# Altium PCB PCB4191.PcbDoc (part 1 of 4) (continued)
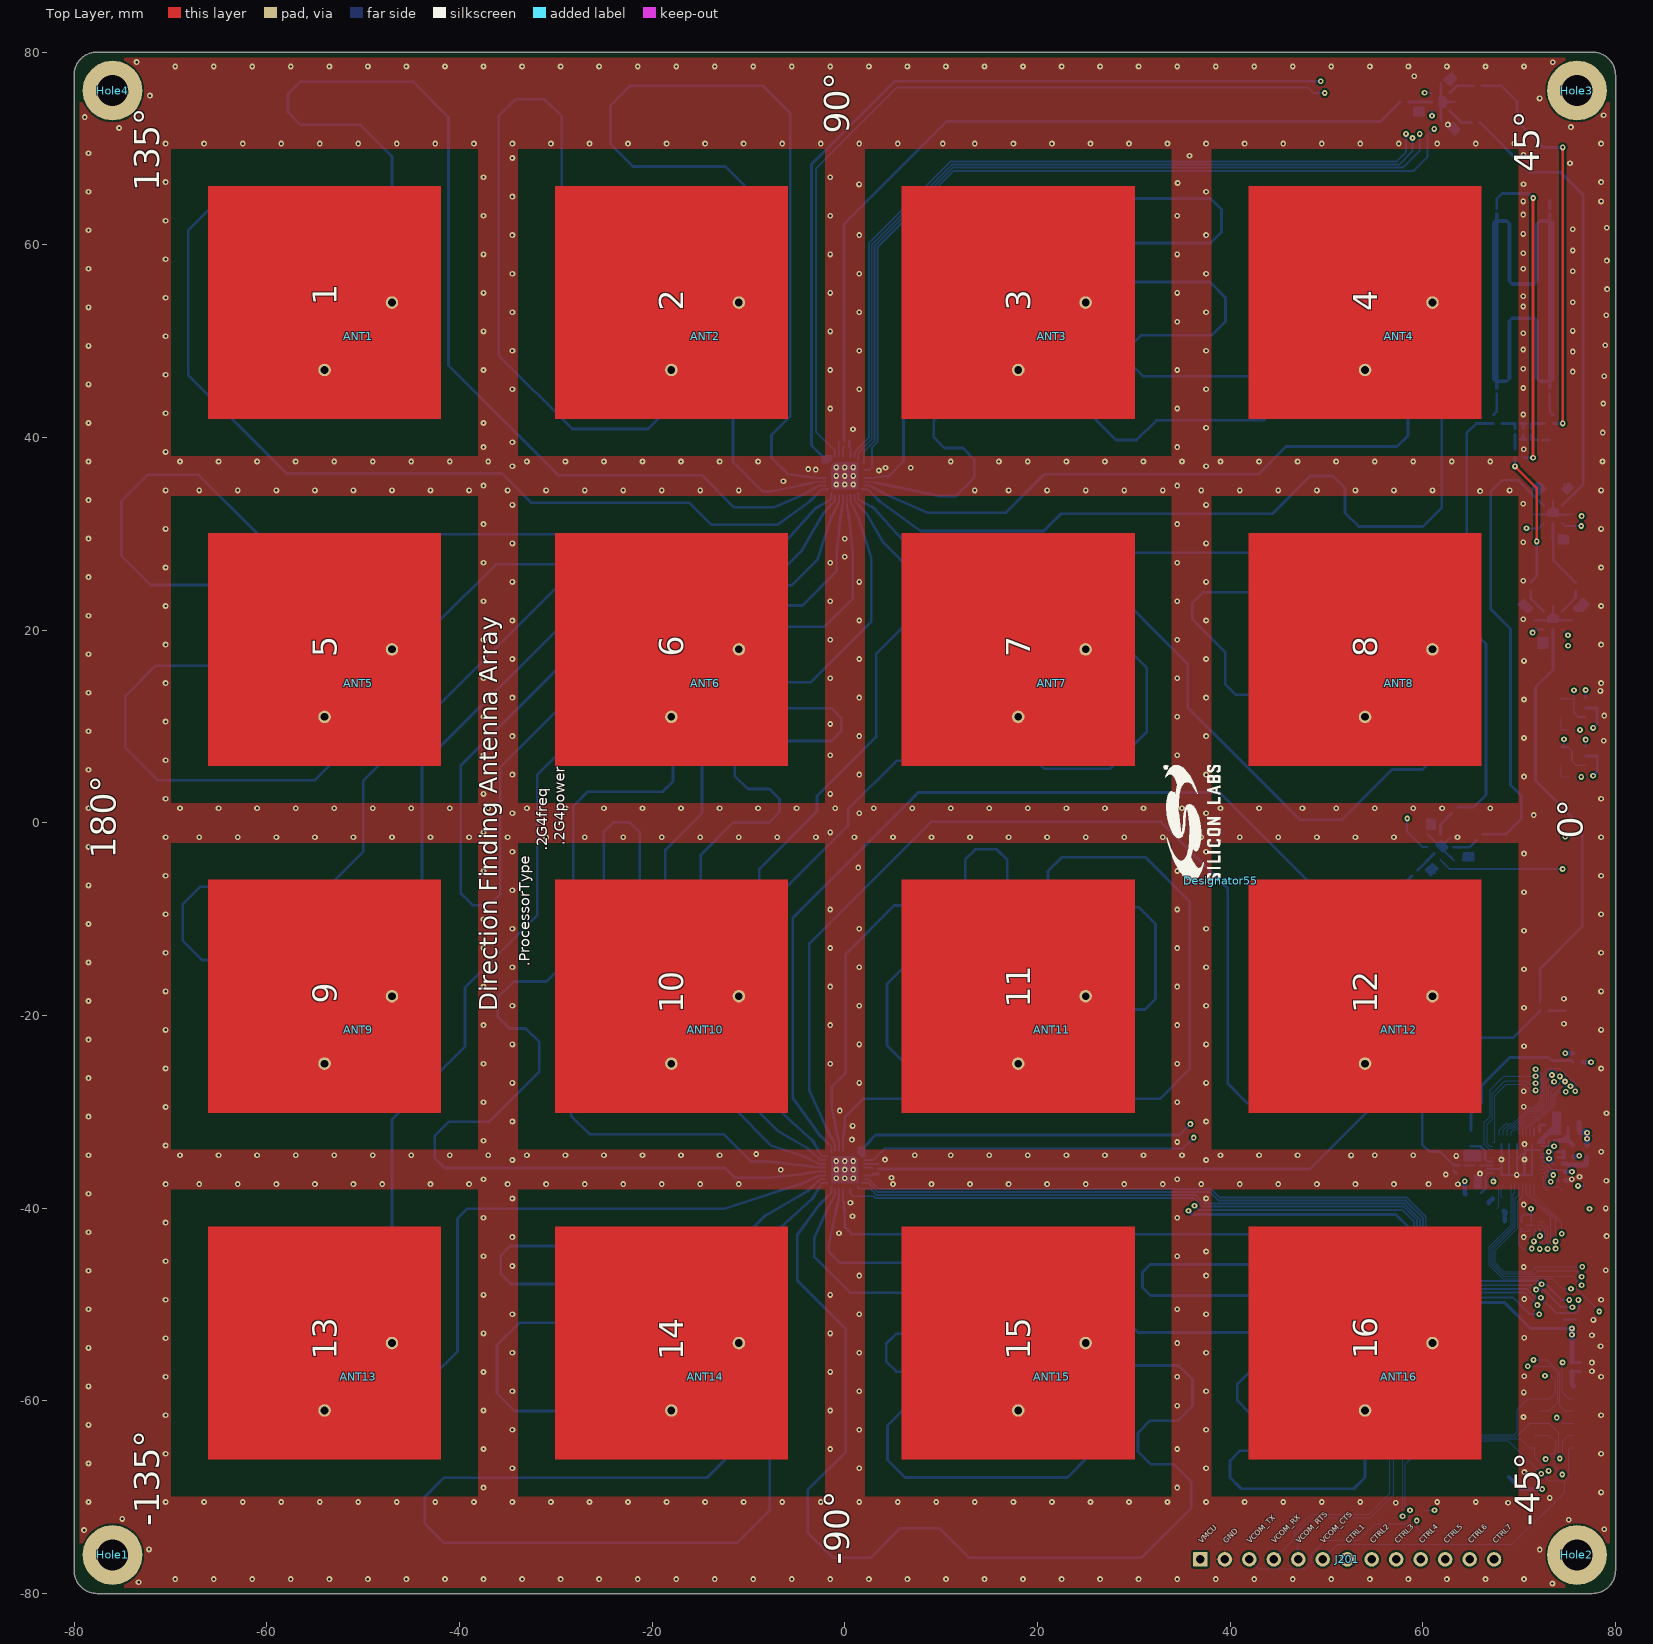
[diagram p0: Top Layer view]
## Components (designator, comment, footprint, x,y, rotation, side; value= is the part's Value field where it differs from the comment)
ANT1 "RECT_DP_PATCH_6LAYER_4x4_RIS" PATCH_RECT24mm2_14mm4RIS_31mm8CELL -54,54 r270 top
ANT2 "RECT_DP_PATCH_6LAYER_4x4_RIS" PATCH_RECT24mm2_14mm4RIS_31mm8CELL -18,54 r270 top
ANT3 "RECT_DP_PATCH_6LAYER_4x4_RIS" PATCH_RECT24mm2_14mm4RIS_31mm8CELL 18,54 r270 top
ANT4 "RECT_DP_PATCH_6LAYER_4x4_RIS" PATCH_RECT24mm2_14mm4RIS_31mm8CELL 54,54 r270 top
ANT5 "RECT_DP_PATCH_6LAYER_4x4_RIS" PATCH_RECT24mm2_14mm4RIS_31mm8CELL -54,18 r270 top
ANT6 "RECT_DP_PATCH_6LAYER_4x4_RIS" PATCH_RECT24mm2_14mm4RIS_31mm8CELL -18,18 r270 top
ANT7 "RECT_DP_PATCH_6LAYER_4x4_RIS" PATCH_RECT24mm2_14mm4RIS_31mm8CELL 18,18 r270 top
ANT8 "RECT_DP_PATCH_6LAYER_4x4_RIS" PATCH_RECT24mm2_14mm4RIS_31mm8CELL 54,18 r270 top
ANT9 "RECT_DP_PATCH_6LAYER_4x4_RIS" PATCH_RECT24mm2_14mm4RIS_31mm8CELL -54,-18 r270 top
ANT10 "RECT_DP_PATCH_6LAYER_4x4_RIS" PATCH_RECT24mm2_14mm4RIS_31mm8CELL -18,-18 r270 top
ANT11 "RECT_DP_PATCH_6LAYER_4x4_RIS" PATCH_RECT24mm2_14mm4RIS_31mm8CELL 18,-18 r270 top
ANT12 "RECT_DP_PATCH_6LAYER_4x4_RIS" PATCH_RECT24mm2_14mm4RIS_31mm8CELL 54,-18 r270 top
ANT13 "RECT_DP_PATCH_6LAYER_4x4_RIS" PATCH_RECT24mm2_14mm4RIS_31mm8CELL -54,-54 r270 top
ANT14 "RECT_DP_PATCH_6LAYER_4x4_RIS" PATCH_RECT24mm2_14mm4RIS_31mm8CELL -18,-54 r270 top
ANT15 "RECT_DP_PATCH_6LAYER_4x4_RIS" PATCH_RECT24mm2_14mm4RIS_31mm8CELL 18,-54 r270 top
ANT16 "RECT_DP_PATCH_6LAYER_4x4_RIS" PATCH_RECT24mm2_14mm4RIS_31mm8CELL 54,-54 r270 top
C1 "1P2" C0201_L 66.5,-35.825 r270 bottom
C2 "1P3" C0201_L 64.85,-35.281 r90 bottom
C3 "TBD" C0201_L 63.2,-35.825 r270 bottom
C11 "1P0" C0201_L 0.209,40.218 r180 bottom
C21 "1P0" C0201_L 4.111,-36.199 r90 bottom
C201 "100N" C0201_L 76.65,-56.937 r0 bottom
C202 "100N" C0201_L 76.65,-56.037 r0 bottom
C203 "10U" C0805_L 76.275,-54.462 r0 bottom
C204 "120P" C0201_L 66.25,-37 r180 bottom
C205 "100N" C0201_L 66.25,-37.55 r180 bottom
C206 "120P" C0201_L 66.175,-34.881 r180 bottom
C207 "100N" C0201_L 66.175,-34.331 r180 bottom
C208 "100N" C0201_L 76.852,-37.686 r0 bottom
C209 "100N" C0201_L 73.35,-32.981 r0 bottom
C210 "10U" C0603_L 76.35,-34.656 r0 bottom
C211 "10N" C0201_L 73.75,-34.725 r0 bottom
C212 "1U" C0402_L 74.025,-35.375 r0 bottom
C213 "100N" C0201_L 74.1,-36.306 r270 bottom
C214 "1U" C0402_L 74.775,-36.681 r270 bottom
C215 "4U7" C0603_L 76.35,-33.456 r180 bottom
C216 "100N" C0201_L 73.75,-34.15 r0 bottom
C217 "1U" C0201_L 71.85,-31.675 r0 bottom
C218 "100N" C0201_L 71.525,-40.675 r0 bottom
C219 "100N" C0402_L 78.078,12.371 r270 bottom
C220 "100N" C0402_L 78.097,7.378 r270 bottom
C221 "TBD" C0201_L 74.08,9.639 r0 bottom
C222 "TBD" C0201_L 74.079,4.759 r0 bottom
C223 "100N" C0402_L -2.987,38.141 r90 bottom
C224 "100N" C0402_L 2.113,-33.009 r0 bottom
CC1 "18P" C0201_L 64.025,-35.55 r180 bottom
CC11 "12P" C0402_L 75.838,24.504 r270 bottom
CC12 "12P" C0402_L 71.212,24.524 r270 bottom
CC31 "12P" C0402_L 65.47,72.692 r0 bottom
CC32 "12P" C0402_L 65.656,76.507 r0 bottom
CC33 "12P" C0402_L 58.101,74.825 r0 bottom
CC41 "12P" C0402_L 65.886,-1.507 r45 bottom
CC42 "12P" C0402_L 63.32,1.322 r45 bottom
CC43 "12P" C0402_L 59.168,-5.21 r45 bottom
CH1 "1P1" C0201_L 69.842,39.753 r0 bottom
CH2 "1P1" C0201_L 69.842,41.453 r0 bottom
CH3 "1P1" C0201_L 70.992,39.753 r0 bottom
CH4 "1P1" C0201_L 70.992,41.453 r0 bottom
D11 "ESD7551" X2DFN2_1.0x0.6_0.65P 76,22.8 r135 bottom
D12 "ESD7551" X2DFN2_1.0x0.6_0.65P 71,22.8 r45 bottom
D13 "ESD7551" X2DFN2_1.0x0.6_0.65P 73.075,18.675 r0 bottom
D21 "ESD7551" X2DFN2_1.0x0.6_0.65P 75.424,34.355 r315 bottom
D22 "ESD7551" X2DFN2_1.0x0.6_0.65P 71.648,34.284 r225 bottom
D23 "ESD7551" X2DFN2_1.0x0.6_0.65P 73.889,29.455 r180 bottom
D31 "ESD7551" X2DFN2_1.0x0.6_0.65P 63.648,72.456 r45 bottom
D32 "ESD7551" X2DFN2_1.0x0.6_0.65P 63.291,76.738 r315 bottom
D33 "ESD7551" X2DFN2_1.0x0.6_0.65P 59.476,74.436 r90 bottom
D41 "ESD7551" X2DFN2_1.0x0.6_0.65P 64.765,-2.963 r90 bottom
D42 "ESD7551" X2DFN2_1.0x0.6_0.65P 61.485,-0.188 r0 bottom
D43 "ESD7551" X2DFN2_1.0x0.6_0.65P 60.415,-4.513 r135 bottom
Designator55 "Comment" LOGO_SILABS_W12.0 39,-6 r90 top
Designator167 "Comment" PCB_SPEC_6_LAYER_BLINDVIA -91,310 r0 top
H1 "90DEG_HYBRID_6LAYER" 90DEG_HYBRID_EUROCIRCUITS_6LAYER_0mm2 70.42,54.146 r270 bottom
Hole1 "Comment" 3MM_PLATED -76,-76 r0 top
Hole2 "Comment" 3MM_PLATED 76,-76 r0 top
Hole3 "Comment" 3MM_PLATED 76,76 r0 top
Hole4 "Comment" 3MM_PLATED -76,76 r0 top
J201 "1X13 2.54MM" HEADER_1X13_2.54MM_TH 52.15,-76.45 r0 top
L1 "2N6" COIL_0201_L 65.675,-35.55 r180 bottom
L11 "2N" R0201_L#1 -0.337,39.625 r180 bottom
L21 "2N" R0201_L#1 3.497,-35.656 r90 bottom
L201 "2U2" COIL_1008_L 75.082,-31.125 r0 bottom
L202 "BLM18AG102SN1" COIL_MUR_BLM18_0603 65.05,-38.525 r0 bottom
L203 "BLM18AG102SN1" COIL_MUR_BLM18_0603 65,-32.6 r270 bottom
LED1 "GREEN" LED0402_L 76.375,-51.575 r180 bottom
LH1 "3N3" COIL_0201_L 69.567,40.603 r90 bottom
LH2 "3N3" COIL_0201_L 70.417,40.603 r90 bottom
LH3 "3N3" COIL_0201_L 71.267,40.603 r90 bottom
P201 "HEADER_2X6_1.27MM_SMD" FTSH_106_01_L_DV_K 74.125,-61.687 r270 bottom
P202 "U.FL" COAX_HIROSE_U.FL_CL331-0471 76.395,-19.497 r270 bottom
R1 "0R" R0402_L 72.195,-19.047 r90 bottom
R2 "0R" R0402_L 72.645,-19.497 r0 bottom
R201 "0R" R0402_L 75.475,-56.487 r90 bottom
R202 "1K96" R0402_L 74.625,-52.025 r90 bottom
R203 "0R" R0402_L 76.021,-24.833 r0 bottom
R204 "0R" R0402_L 75.575,-24.375 r270 bottom
R205 "330K" R0201_L#2 70.225,-41.725 r90 bottom
R206 "0R" R0201_L#1 75.38,9.639 r180 bottom
R207 "0R" R0201_L#1 75.419,4.76 r180 bottom
R208 "0R" R0402_L 70.017,37.889 r0 bottom
R209 "0R" R0402_L 69.567,38.339 r270 bottom
R210 "0R" R0402_L 67.32,41.9 r270 bottom
R211 "0R" R0402_L 67.77,41.45 r180 bottom
R212 "0R" R0402_L 73.52,41.9 r270 bottom
R213 "0R" R0402_L 73.07,41.45 r0 bottom
R214 "0R" R0201_L#1 0.188,39.05 r180 bottom
R215 "0R" R0201_L#1 0.213,39.625 r0 bottom
R216 "0R" R0201_L#1 2.922,-36.181 r90 bottom
R217 "0R" R0201_L#1 3.497,-36.206 r270 bottom
RH1 "50R" R0402_L 73.175,65.025 r90 bottom
RH2 "50R" R0201_L#1 72.142,39.753 r0 bottom
SH200 "RF_SHIELD_FRAME_BMI-S-202-F" LAIRD_BMI-S-202-F 69.75,-37 r180 bottom locked
TPJ1 "TPJ_SMD" TP_1.0_SMD 60.098,-73.907 r90 bottom locked
TPJ2 "TPJ_SMD" TP_1.0_SMD 60.449,-57.777 r90 bottom locked
TPJ3 "TPJ_SMD" TP_1.0_SMD 60.049,-71.357 r90 bottom locked
TPJ4 "TPJ_SMD" TP_1.0_SMD 61.399,-63.107 r90 bottom locked
TPJ5 "TPJ_SMD" TP_1.0_SMD 57.899,-62.957 r90 bottom locked
TPJ6 "TPJ_SMD" TP_1.0_SMD 61.369,-60.587 r90 bottom locked
TPJ7 "TPJ_SMD" TP_1.0_SMD 58.839,-60.627 r90 bottom locked
TPJ8 "TPJ_SMD" TP_1.0_SMD 57.949,-58.257 r90 bottom locked
TPJ9 "TPJ_SMD" TP_1.0_SMD 70.199,-70.157 r90 bottom locked
TPJ10 "TPJ_SMD" TP_1.0_SMD 67.799,-65.407 r90 bottom locked
TPJ11 "TPJ_SMD" TP_1.0_SMD 68.949,-67.907 r90 bottom locked
TPJ12 "TPJ_SMD" TP_1.0_SMD 68.299,-57.207 r90 bottom locked
TPJ13 "TPJ_SMD" TP_1.0_SMD 66.949,-69.457 r90 bottom locked
TPJ14 "TPJ_SMD" TP_1.0_SMD 68.699,-62.457 r90 bottom locked
TPJ15 "TPJ_SMD" TP_1.0_SMD 68.699,-59.857 r90 bottom locked
TPJ16 "TPJ_SMD" TP_1.0_SMD 66.599,-73.907 r90 bottom locked
TPJ17 "TPJ_SMD" TP_1.0_SMD 57.899,-65.557 r90 bottom locked
TPJ18 "TPJ_SMD" TP_1.0_SMD 50.55,-73.287 r90 bottom locked
TPJ19 "TPJ_SMD" TP_1.0_SMD 48.349,-74.282 r90 bottom locked
U1 "EFR32BG22C224F512IM40" QFN40_M040_5.0X5.0_EP_SL 69.75,-34.95 r90 bottom
U200 "MX25R8035F" BGA8_M040_1.24X1.75_WLCSP 71.65,-41.775 r270 bottom
U201 "SKY13377-313LF" SKY13377-313LF 73.5,21 r270 bottom
U202 "SKY13377-313LF" SKY13377-313LF 73.5,32 r270 bottom
U203 "SKY13377-313LF" SKY13377-313LF 61.88,74.825 r180 bottom
U204 "SKY13377-313LF" SKY13377-313LF 61.84,-2.538 r225 bottom
U205 "CHW-SP16TS-B" QFN32_4X4MM_CHW-SP16TS-B 0,36 r270 bottom
U206 "CHW-SP16TS-B" QFN32_4X4MM_CHW-SP16TS-B 0,-36 r180 bottom
U207 "SN74LVC2G14" SOT-23-6_SN74LVC2G14 75.625,11.925 r0 bottom
U208 "SN74LVC2G14" SOT-23-6_SN74LVC2G14 75.625,6.925 r0 bottom
X1 "38.4 MHz" KDS_DSX211SH_2016 67.9,-39.725 r90 bottom
X2 "32.768 kHz" X_MCS_CM8V-T1A 73.9,-38.706 r0 bottom

## Footprints (in the part's own frame and the unit in brackets; to place one, negate y for a bottom-side part, rotate by r counter-clockwise, add the part's x,y. Pads: shape width x height; smd on the part's side, far side on the other; paste and mask are expansions set on the pad)
3MM_PLATED [mm] "3MM_PLATED"
  round 6.2 / inner round 3.6 / far side round 6.2 hole 3.2: 1(0,0)
90DEG_HYBRID_EUROCIRCUITS_6LAYER_0mm2 [mm]
  rect 1x0.33 smd paste-1: 1(-9.6,2.765) 2(-9.6,-2.765) 3(9.6,-2.765) 4(9.6,2.765)
  Top Layer pour cut-out: -10,4.8 -10,-4.8 10,-4.8 10,4.8
  Top Layer region: -9.15,-2.93 -8.48,-2.93 -8.15,-3.2 8.15,-3.2 8.48,-2.93 9.15,-2.93 9.15,-2.6 8.48,-2.6 8.48,-1.7 8.05,-1.27 1.95,-1.27 1.95,1.27 8.05,1.27 8.48,1.7 8.48,2.6 8.15,2.6 8.15,1.6 2.05,1.6 1.62,1.17 1.62,-1.17 2.05,-1.6 8.15,-1.6 8.15,-2.6 -8.15,-2.6 -8.15,-1.6 -2.05,-1.6 -1.62,-1.17 -1.62,1.17 -2.05,1.6 -8.15,1.6 -8.15,2.6 9.15,2.6 9.15,2.93 8.48,2.93 8.15,3.2 -8.15,3.2 -8.48,2.93 -9.15,2.93 -9.15,2.6 -8.48,2.6 -8.48,1.7 -8.05,1.27 -1.95,1.27 -1.95,-1.27 -8.05,-1.27 -8.48,-1.7 -8.48,-2.6 -9.15,-2.6
BGA8_M040_1.24X1.75_WLCSP [mm] "BGA, 8 pin. U100"
  round 0.21 smd mask+0.038: A1(-0.35,0.4) A3(0.35,0.4) B2(0,0.2) C1(-0.35,0) C3(0.35,0) D2(0,-0.2) E1(-0.35,-0.4) E3(0.35,-0.4)
  body extent -0.63,-0.89 0.63,0.88, height 0.52
C0201_L [mm] "Capacitor, Chip; 0.60 mm L X 0.30 mm W X 0.33 mm H body"
  rrect52% 0.31x0.34 smd: 1(-0.275,0) 2(0.275,0)
  body extent -0.3,-0.15 0.3,0.15, height 0.3
C0402_L [mm] "Chip Capacitor, 2-Leads, Body 1.0x0.5mm, IPC High Density"
  rrect20% 0.6x0.5 smd mask+0.051: 1(-0.45,0) 2(0.45,0)
  body extent -0.5,-0.25 0.5,0.25, height 0.6
C0603_L [mm] "Capacitor, 0603, High Density (C)"
  rrect25% 0.8x0.85 smd: 1(-0.7,0) 2(0.7,0)
  body extent -0.8,-0.4 0.8,0.4, height 0.95
C0805_L [mm] "Capacitor, 0805"
  rrect25% 0.95x1.35 smd: 1(-0.8,0) 2(0.8,0)
  body extent -1.1,-0.72 1.1,0.72, height 1.45
COAX_HIROSE_U.FL_CL331-0471 [mm] "COAX_HIROSE_U.FL_CL331-0471"
  rrect20% 1.05x1.1 smd mask+0.051: 1(0,1.6)
  rrect20% 1.05x2.25 smd mask+0.051: 2(-1.5,0) 3(1.5,0)
  Top Layer pour cut-out: -0.85,0.9 0.85,0.9 0.85,0.9 0.85,-1.2 -0.85,-1.2 -0.85,-1.2
  body extent -1.3,-1.55 1.3,1.3, height 0.9
COIL_0201_L [mm] "JELF243C-0021"
  rrect10% 0.3x0.3 smd: 1(-0.3,0) 2(0.3,0)
  body extent -0.32,-0.17 0.32,0.17, height 0.33
COIL_1008_L [mil] "Chip Inductors, 1008 (2520), Coilcraft (190207)"
  rrect25% 40x100 smd: 1(-45,0) 2(45,0)
  body extent -58,-55 58,55, height 80
COIL_MUR_BLM18_0603 [mm] "COIL_MUR_BLM18P_0603"
  rrect25% 0.85x0.7 smd mask+0.051: 1(-0.7,0) 2(0.7,0)
  body extent -0.88,-0.48 0.87,0.48, height 0.95
FTSH_106_01_L_DV_K [mil] "FTSH-105-01-L-DV-K-P-TR"
  rrect50% 29x110 smd: 1(-125,-80) 2(-125,80) 3(-75,-80) 4(-75,80) 5(-25,-80) 6(-25,80) 7(25,-80) 8(25,80) 9(75,-80) 10(75,80) 11(125,-80) 12(125,80)
  body extent -150,-115 150,115, height 231
HEADER_1X13_2.54MM_TH [mm] "Connector; Header; 2 Position"
  rrect10% 1.5x1.5 hole 0.9: 1(-15.242,0)
  round 1.5 hole 0.9: 2(-12.702,0) 3(-10.162,0) 4(-7.622,0) 5(-5.082,0) 6(-2.542,0) 7(-0.002,0) 8(2.542,0) 9(5.082,0) 10(7.622,0) 11(10.162,0) 12(12.702,0) 13(15.242,0)
  body extent -16.51,-1.27 16.51,1.27, height 9.7
KDS_DSX211SH_2016 [mm] "Copy of Silabs CE  X_KDS_DSX211SH_2.0X1.65-4"
  rrect20% 0.9x0.8 smd mask+0.051: 1(-0.7,-0.55) 2(0.7,-0.55) 3(0.7,0.55) 4(-0.7,0.55)
  body extent -1.07,-0.87 1.08,0.88, height 0.5
LAIRD_BMI-S-202-F [mm] "laired BMI-S-202-F"
  rrect20% 0.75x4.5 smd paste+0 mask+0.05: 1(-8.25,-6.375) 1(-8.25,6.375) 1(8.25,-6.375) 1(8.25,6.375)
  rrect20% 0.75x3.8 smd paste+0 mask+0.05: 1(-8.25,0) 1(8.25,0)
  rrect20% 4.5x0.75 smd paste+0 mask+0.05: 1(-6.375,8.25) 1(-6.375,-8.25) 1(6.375,8.25) 1(6.375,-8.25)
  rrect20% 3.8x0.75 smd paste+0 mask+0.05: 1(0,-8.25) 1(0,8.25)
  body extent -8.6,-8.6 8.6,8.6, height 5.5
LED0402_L [mm] "Led smd 0402"
  rrect25% 0.5x0.5 smd: 1(-0.525,0) 2(0.525,0)
  body extent -0.5,-0.25 0.5,0.25, height 0.3
LOGO_SILABS_W12.0 [mm] "LOGO_SILABS_W12.0 (170217)"
  silkscreen extent 0.03,0.03 11.99,5.88
PATCH_RECT24mm2_14mm4RIS_31mm8CELL [mm]
  round 1.3 / inner round 0 / far side round 1.3 hole 0.8 paste+0 mask+0: 1(7,0) 2(0,7)
  Top Layer region: -12.1,-12.1 12.1,-12.1 12.1,12.1 -12.1,12.1
  Top Layer pour cut-out: -15.9,-15.9 15.9,-15.9 15.9,15.9 -15.9,15.9
  IM3 Signal pour cut-out: -15.9,-15.9 15.9,-15.9 15.9,15.9 -15.9,15.9
  IM1 RIS pour cut-out: -0.3,-15.9 -0.3,15.9 0.3,15.9 0.3,-15.9
  IM1 RIS pour cut-out: -15.9,0.3 15.9,0.3 15.9,-0.3 -15.9,-0.3
  IM1 RIS pour cut-out: -15.9,-15.9 -15.9,15.9 -14.7,15.9 -14.7,-15.9
  IM1 RIS pour cut-out: 15.9,-15.9 -15.9,-15.9 -15.9,-14.7 15.9,-14.7
  IM1 RIS pour cut-out: 15.9,15.9 15.9,-15.9 14.7,-15.9 14.7,15.9
  IM1 RIS pour cut-out: -15.9,15.9 15.9,15.9 15.9,14.7 -15.9,14.7
  IM1 RIS pour cut-out: -8.7,8.7 -8.7,6.3 -6.3,6.3 -6.3,8.7
  IM1 RIS pour cut-out: 6.3,8.7 6.3,6.3 8.7,6.3 8.7,8.7
  IM1 RIS pour cut-out: 6.3,-6.3 6.3,-8.7 8.7,-8.7 8.7,-6.3
  IM1 RIS pour cut-out: -8.7,-6.3 -8.7,-8.7 -6.3,-8.7 -6.3,-6.3
  IM2 Signal pour cut-out: -15.9,-15.9 15.9,-15.9 15.9,15.9 -15.9,15.9
  Multi-Layer pour cut-out: 0,6 -0.383,6.076 -0.707,6.293 -0.924,6.617 -1,7 -1,7 -0.924,7.383 -0.707,7.707 -0.383,7.924 0,8 0,8 0.383,7.924 0.707,7.707 0.924,7.383 1,7 1,7 0.924,6.617 0.707,6.293 0.383,6.076 0,6
  Multi-Layer pour cut-out: 7,-1 6.617,-0.924 6.293,-0.707 6.076,-0.383 6,0 6,0 6.076,0.383 6.293,0.707 6.617,0.924 7,1 7,1 7.383,0.924 7.707,0.707 7.924,0.383 8,0 8,0 7.924,-0.383 7.707,-0.707 7.383,-0.924 7,-1
PCB_SPEC_6_LAYER_BLINDVIA [mm] "Patchantenna_version"
QFN32_4X4MM_CHW-SP16TS-B [mm]
  rect 1x1 smd: 0(0,0)
  rect 0.59x0.2 smd: 1(-1.985,1.4) 8(-1.985,-1.4) 17(1.985,-1.4) 24(1.985,1.4)
  rect 0.76x0.2 smd: 2(-1.985,1) 3(-1.985,0.6) 4(-1.985,0.2) 5(-1.985,-0.2) 6(-1.985,-0.6) 7(-1.985,-1) 18(1.985,-1) 19(1.985,-0.6) 20(1.985,-0.2) 21(1.985,0.2) 22(1.985,0.6) 23(1.985,1)
  rect 0.2x0.59 smd: 9(-1.4,-1.985) 16(1.4,-1.985) 25(1.4,1.985) 32(-1.4,1.985)
  rect 0.2x0.76 smd: 10(-1,-1.985) 11(-0.6,-1.985) 12(-0.2,-1.985) 13(0.2,-1.985) 14(0.6,-1.985) 15(1,-1.985) 26(1,1.985) 27(0.6,1.985) 28(0.2,1.985) 29(-0.2,1.985) 30(-0.6,1.985) 31(-1,1.985)
  Top Layer region: -1.897,1.301 -1.649,1.301 -1.649,1.333 -1.817,1.5 -1.897,1.5 -1.897,1.301
  Top Layer region: -1.918,-1.3 -1.648,-1.3 -1.648,-1.332 -1.816,-1.5 -1.918,-1.5 -1.918,-1.3
  Top Layer region: -1.301,-1.946 -1.301,-1.648 -1.333,-1.648 -1.501,-1.816 -1.501,-1.946 -1.301,-1.946
  Top Layer region: 1.3,-1.938 1.3,-1.646 1.332,-1.646 1.5,-1.814 1.5,-1.938 1.3,-1.938
  Top Layer region: 2.001,-1.299 1.65,-1.299 1.65,-1.331 1.818,-1.499 2.001,-1.499 2.001,-1.299
  Top Layer region: 1.976,1.301 1.649,1.301 1.649,1.333 1.817,1.501 1.976,1.501 1.976,1.301
  Top Layer region: 1.3,1.955 1.3,1.647 1.332,1.647 1.5,1.815 1.5,1.955 1.3,1.955
  Top Layer region: -1.3,1.96 -1.3,1.647 -1.332,1.647 -1.5,1.815 -1.5,1.96 -1.3,1.96
  Top Layer region: -1.4,1.05 -1.05,1.404 1.4,1.404 1.4,-1.4 -1.4,-1.4 -1.4,1.05
  silkscreen extent -2,1.8 -1.8,2, body extent -2,-2 2,2, height 0.55
QFN40_M040_5.0X5.0_EP_SL [mm] "QFN48_M050_SQ7.0_EP, SiLabs, High Density (C)"
  rrect5% 3.85x3.85 smd paste-1.95 mask+0.05: 0(0,0)
  rrect10% 0.74x0.22 smd mask+0.05: 1(-2.495,1.8) 2(-2.495,1.4) 3(-2.495,1) 4(-2.495,0.6) 5(-2.495,0.2) 6(-2.495,-0.2) 7(-2.495,-0.6) 8(-2.495,-1) 9(-2.495,-1.4) 10(-2.495,-1.8) 21(2.495,-1.8) 22(2.495,-1.4) 23(2.495,-1) 24(2.495,-0.6) 25(2.495,-0.2) 26(2.495,0.2) 27(2.495,0.6) 28(2.495,1) 29(2.495,1.4) 30(2.495,1.8)
  rrect10% 0.22x0.74 smd mask+0.05: 11(-1.8,-2.495) 12(-1.4,-2.495) 13(-1,-2.495) 14(-0.6,-2.495) 15(-0.2,-2.495) 16(0.2,-2.495) 17(0.6,-2.495) 18(1,-2.495) 19(1.4,-2.495) 20(1.8,-2.495) 31(1.8,2.495) 32(1.4,2.495) 33(1,2.495) 34(0.6,2.495) 35(0.2,2.495) 36(-0.2,2.495) 37(-0.6,2.495) 38(-1,2.495) 39(-1.4,2.495) 40(-1.8,2.495)
  body extent -2.5,-2.5 2.5,2.5, height 1.01
R0201_L#1 [mm] "Resistor, Chip; 0.60 mm L X 0.30 mm W X 0.28 mm H body"
  rrect52% 0.31x0.34 smd: 1(-0.275,0) 2(0.275,0)
  body extent -0.3,-0.15 0.3,0.15, height 0.23
R0201_L#2 [mm] "Resistor (Chip2PinSM127P600-8N) (170921)"
  rrect25% 0.34x0.32 smd: 1(-0.3,0) 2(0.3,0)
  body extent -0.32,-0.13 0.32,0.13, height 0.3
R0402_L [mm] "Chip Resistor, 2-Leads, Body 1.0x0.5mm, IPC High Density"
  rrect20% 0.6x0.6 smd mask+0.051: 1(-0.45,0) 2(0.45,0)
  body extent -0.5,-0.25 0.5,0.25, height 0.6
SKY13377-313LF [mm]
  rect 0.442x0.35 smd paste-0.05 mask+0.05: 1(-0.929,0.95) 2(-0.929,0) 3(-0.929,-0.95) 4(0.929,-0.95) 5(0.929,0) 6(0.929,0.95)
  round 0.1 smd paste-0.1 mask-0.1: 7(0,0)
  Top Layer region: -0.41,-0.61 -0.487,-0.595 -0.551,-0.551 -0.595,-0.487 -0.61,-0.41 -0.61,-0.41 -0.61,-0.175 -0.744,-0.175 -0.744,0.175 -0.61,0.175 -0.61,0.41 -0.51,0.437 -0.437,0.51 -0.41,0.61 -0.41,0.61 -0.102,0.61 -0.102,1.65 0.101,1.65 0.101,0.603 0.168,0.558 0.214,0.49 0.23,0.41 0.23,0.41 0.23,-0.41 0.215,-0.492 0.17,-0.562 0.101,-0.61 0.101,-0.61 0.101,-1.65 -0.102,-1.65 -0.102,-0.61
  body extent -1,-1.51 1.01,1.5
SOT-23-6_SN74LVC2G14 [mm]
  rect 1x0.7 smd paste-0.025: 1(-1.27,0.953) 2(-1.27,0) 3(-1.27,-0.953) 4(1.27,-0.953) 5(1.27,0) 6(1.27,0.953)
  body extent -1.21,-1.4 1.21,1.4, height 1.09
TP_1.0_SMD [mm] "Test Point, 1.0 mm, SMD"
  round 1 smd paste-0.501: 1(0,0)
  body extent -0.2,-0.2 0.2,0.2, height 0.01
X2DFN2_1.0x0.6_0.65P [mm] "ESD Diode"
  rrect20% 0.47x0.6 smd mask+0.051: 1(-0.365,0) 2(0.365,0)
  body extent -0.5,-0.25 0.5,0.25, height 0.6
X_MCS_CM8V-T1A [mm] "Crystal MCS CM8V-T1A (2 pin)"
  rrect25% 0.8x1.5 smd mask+0.051: 1(-0.75,0)
  rrect25% 0.85x1.5 smd mask+0.051: 2(0.75,0)
  body extent -1,-0.6 1,0.6, height 0.95

## Via types
v1: diameter 0.6, hole 0.25, IM4 GND to Bottom Layer, tented bottom, 3953 vias
v2: diameter 0.6, hole 0.25, Top Layer to Bottom Layer, tented both sides, 851 vias
v3: diameter 0.6, hole 0.25, IM4 GND to Bottom Layer, tented both sides, 179 vias

## Nets (pads, with @x,y where several pads share a name; then routed paths per layer and width w, separated by ;. In a path a pad name is that pad's centre, name@x,y a point inside that pad or via, vN(x,y) a via of type N, cw(c..) or ccw(c..) an arc to the next point about the centre after c; other vN are vias at no path point)
3V3: TPJ10.1
5V: TPJ12.1
50R_ANT_H1: ANT1.1 U205.25 | length 120
  Bottom Layer w0.2: -3.641,33.355 -2.41,34.6 U205.25@-1.985,34.6
  Bottom Layer w0.28: ANT1.1@-54,47 -54,61.55 -56.825,64.375 -65.275,64.375 -68.15,61.5 -68.15,46.475 -57.925,36.25 -35.6,36.25 -32.575,33.225 -16.15,33.225 -13.852,30.927 -6.983,30.927 -3.641,33.355
50R_ANT_H2: ANT2.1 U205.27 | length 120
  Bottom Layer w0.2: -4.537,35.036 -2.821,35.4 U205.27@-1.985,35.4
  Bottom Layer w0.28: ANT2.1@-18,47 -18,43.3 -20.425,40.875 -28.275,40.875 -35.925,48.525 -35.925,73.375 -34.2,75.1 -31.175,75.1 -29.375,73.3 -29.375,53.05 -26.7,50.375 -14.475,50.375 -11.6,47.5 -11.6,37.476 -8.521,34.397 -7.6,34.397 -7.004,34.521 -4.537,35.036
50R_ANT_H3: ANT3.1 U205.13 | length 120
  Bottom Layer w0.2: U205.13@1.985,35.8 2.767,35.8 4.57,36.008
  Bottom Layer w0.28: 4.57,36.008 6.1,37.538 6.1,59.35 11.55,64.8 37.975,64.8 39.1,63.675 39.1,61.3 37.975,60.175 22.475,60.175 20.625,58.325 20.625,55.175 19.45,54 17.675,54 16.375,55.3 16.375,58.3 14.9,59.775 12.175,59.775 10.625,58.225 10.625,49.4 13.025,47 ANT3.1@18,47
50R_ANT_H4: ANT4.1 U205.15 | length 120
  Bottom Layer w0.2: U205.15@1.985,35 2.588,35 4.111,34.17
  Bottom Layer w0.28: 4.111,34.17 8.61,32.166 16.691,32.166 20.7,36.175 42.925,36.175 45.8,39.05 57.325,39.05 58.45,40.175 58.45,41.925 57.325,43.05 52.05,43.05 47.738,47.362 47.738,53.087 43.25,57.575 43.25,63.175 44.95,64.875 50.35,64.875 52.125,63.1 52.125,48.875 ANT4.1@54,47
50R_ANT_H5: ANT5.1 U205.23 | length 120
  Bottom Layer w0.2: -2.25,32.103 -1.079,33.362 -1,33.447 U205.23@-1,34.015
  Bottom Layer w0.28: ANT5.1@-54,11 -59.3,16.3 -71.55,16.3 -74.675,13.175 -74.675,7.775 -71.325,4.425 -55,4.425 -42.375,17.05 -42.375,20.668 -36.218,26.825 -5.88,26.825 -4.501,28.205 -2.25,32.103
50R_ANT_H6: ANT6.1 U206.20 | length 120
  Bottom Layer w0.2: -4.475,-36.47 -2.784,-36.2 U206.20@-1.985,-36.2
  Bottom Layer w0.28: ANT6.1@-18,11 -22.3,11 -23.325,9.975 -23.325,8.2 -22.225,7.1 -18.925,7.1 -17.825,6 -17.825,4.3 -18.9,3.225 -26.7,3.225 -28.175,1.75 -28.175,-13.675 -30.975,-16.475 -34.35,-16.475 -36.025,-18.15 -36.025,-20.1 -34.775,-21.35 -33.125,-21.35 -31.7,-22.775 -31.7,-25.825 -36.9,-31.025 -41.1,-31.025 -42.575,-32.5 -42.575,-34.775 -41.525,-35.825 -12.45,-35.825 -11.439,-36.836 -7.956,-36.836 -4.475,-36.47
50R_ANT_H7: ANT7.1 U206.23 | length 120
  Bottom Layer w0.2: -3.897,-33.75 -2.552,-35 U206.23@-1.985,-35
  Bottom Layer w0.28: -3.897,-33.75 -6.928,-32 -8.875,-30.053 -8.875,-4.8 -2.875,1.2 -2.875,2.775 3.25,8.9 3.25,17.5 8.925,23.175 24.25,23.175 31.35,16.075 31.35,9.45 27.5,5.6 20.725,5.6 18,8.325 ANT7.1@18,11
50R_ANT_H8: ANT8.1 U205.17 | length 120
  Bottom Layer w0.2: U205.17@1.4,34.015 1.4,33.594 3.011,32.656
  Bottom Layer w0.28: 3.011,32.656 5.353,30.055 7.367,28.041 47.759,28.041 48.65,27.15 48.65,25.025 47.55,23.925 37.175,23.925 36.075,22.825 36.075,21.125 39.475,17.725 39.475,14.425 40.625,13.275 41.9,13.275 42.9,14.275 42.9,18.35 43.8,19.25 45.25,19.25 46.175,18.325 46.175,11.325 46.425,11.075 47.275,10.225 48.575,10.225 49.775,11.425 49.775,18.8 50.925,19.95 52.8,19.95 54,18.75 ANT8.1@54,11
50R_ANT_H9: ANT9.1 U205.21 | length 120
  Bottom Layer w0.2: -0.47,31.525 -0.2,33.215 U205.21@-0.2,34.015
  Bottom Layer w0.28: ANT9.1@-54,-25 -56.5,-27.5 -59.55,-27.5 -61.7,-25.35 -61.7,-22.225 -59.4,-19.925 -52.675,-19.925 -49.55,-23.05 -45.925,-23.05 -43.875,-21 -43.875,6.025 -27.35,22.55 -4.4,22.55 -0.836,26.114 -0.836,28.044 -0.47,31.525
50R_ANT_H10: ANT10.1 U206.21 | length 120
  Bottom Layer w0.2: -4.475,-35.53 -2.784,-35.8 U206.21@-1.985,-35.8
  Bottom Layer w0.28: ANT10.1@-18,-25 -20.2,-25 -21.175,-24.025 -21.175,-22.45 -20,-21.275 -16.775,-21.275 -14.4,-23.65 -14.4,-27.3 -16.275,-29.175 -22.025,-29.175 -24.65,-26.55 -24.65,-20.8 -21.275,-17.425 -21.275,-1 -22.325,0.05 -24.025,0.05 -25.025,-0.95 -25.025,-15.75 -28.4,-19.125 -28.4,-30.425 -26.5,-32.325 -12.575,-32.325 -9.736,-35.164 -7.956,-35.164 -4.475,-35.53
50R_ANT_H11: ANT11.1 U206.27 | length 120
  Bottom Layer w0.2: -0.936,-31.598 -0.622,-33.103 -0.6,-33.21 U206.27@-0.6,-34.015
  Bottom Layer w0.28: -0.936,-31.598 -1.362,-29.593 -1.362,-27.409 0.1,-25.948 0.1,-13.6 5.125,-8.575 7.275,-8.575 8.75,-10.05 8.75,-12.375 4.375,-16.75 4.375,-23.125 6.175,-24.925 11.325,-24.925 12.5,-23.75 12.5,-3.825 13.575,-2.75 15.775,-2.75 16.875,-3.85 16.875,-18.975 19.425,-21.525 26.225,-21.525 27.275,-22.575 27.275,-23.975 26.25,-25 ANT11.1@18,-25
50R_ANT_H12: ANT12.1 U206.26 | length 120
  Bottom Layer w0.2: -1.83,-31.889 -1,-33.379 U206.26@-1,-34.015
  Bottom Layer w0.28: -1.83,-31.889 -3.675,-27.747 -3.675,-12.525 8.95,0.1 32.825,0.1 39.75,-6.825 39.75,-27.075 41.75,-29.075 44.775,-29.075 47.075,-26.775 47.075,-21.725 49.2,-19.6 51.9,-19.6 54,-21.7 ANT12.1@54,-25
50R_ANT_H13: ANT13.1 U206.19 | length 120
  Bottom Layer w0.2: -4.28,-37.391 -2.647,-36.6 U206.19@-1.985,-36.6
  Bottom Layer w0.28: ANT13.1@-54,-61 -57.175,-64.175 -61.275,-64.175 -65.725,-59.725 -65.725,-46.575 -62.475,-43.325 -57.025,-43.325 -53.325,-47.025 -53.325,-54.45 -49.375,-58.4 -43.725,-58.4 -40.2,-54.875 -40.2,-41.075 -39.181,-40.056 -12.482,-40.056 -4.28,-37.391
50R_ANT_H14: ANT14.1 U206.17 | length 120
  Bottom Layer w0.2: -3.344,-39.011 -2.405,-37.4 U206.17@-1.985,-37.4
  Bottom Layer w0.28: ANT14.1@-18,-61 -14.15,-61 -12.25,-62.9 -12.25,-65.95 -14.275,-67.975 -41.6,-67.975 -43.6,-69.975 -43.6,-72.75 -41.625,-74.725 -11.125,-74.725 -7.8,-71.4 -7.8,-43.137 -6.662,-41.999 -3.344,-39.011
50R_ANT_H15: ANT15.1 U206.15 | length 120
  Bottom Layer w0.2: -1.83,-40.111 -1,-38.589 U206.15@-1,-37.985
  Bottom Layer w0.28: -1.83,-40.111 -3.161,-43.101 -3.161,-45.064 0.55,-48.775 18.2,-48.775 19.3,-49.875 19.3,-51.925 18.2,-53.025 5.35,-53.025 4.3,-54.075 4.3,-55.9 5.375,-56.975 21.3,-56.975 25.3,-60.975 25.3,-65.75 23.1,-67.95 6.25,-67.95 4.425,-66.125 4.425,-62.55 5.975,-61 ANT15.1@18,-61
50R_ANT_H16: ANT16.1 U206.14 | length 120
  Bottom Layer w0.2: -0.936,-40.402 -0.6,-38.694 U206.14@-0.6,-37.985
  Bottom Layer w0.28: -0.936,-40.402 -1.663,-43.825 -1.663,-44.487 -0.475,-45.675 23.225,-45.675 30.45,-52.9 48.02,-52.9 49.212,-54.091 49.212,-55.653 47.865,-57 42,-57 40.75,-58.25 40.75,-59.975 42.075,-61.3 48.5,-61.3 49.575,-62.375 49.575,-64.125 48.525,-65.175 41.025,-65.175 39.975,-66.225 39.975,-67.95 41.15,-69.125 52.825,-69.125 54,-67.95 ANT16.1@54,-61
50R_ANT_V1: ANT1.2 U205.26 | length 120
  Bottom Layer w0.2: -4.111,34.17 -2.622,35 U205.26@-1.985,35
  Bottom Layer w0.28: ANT1.2@-47,54 -47,69.175 -50.275,72.45 -56.5,72.45 -57.8,73.75 -57.8,75.625 -56.5,76.925 -44.825,76.925 -41.125,73.225 -41.125,47.475 -29.725,36.075 -14.829,36.075 -11.5,32.746 -7.308,32.746 -4.111,34.17
50R_ANT_V2: ANT2.2 U205.28 | length 120
  Bottom Layer w0.2: -4.535,36.004 -2.916,35.8 U205.28@-1.985,35.8
  Bottom Layer w0.28: ANT2.2@-11,54 -22.775,54 -24.7,55.925 -24.7,59.05 -22.575,61.175 -12.225,61.175 -10.45,62.95 -10.45,66.2 -12.375,68.125 -22,68.125 -24.325,70.45 -24.325,74.45 -22.275,76.5 -8.475,76.5 -5.675,73.7 -5.675,42.175 -7.6,40.25 -7.6,37.867 -5.911,36.178 -4.535,36.004
50R_ANT_V3: ANT3.2 U205.14 | length 120
  Bottom Layer w0.2: U205.14@1.985,35.4 2.693,35.4 4.402,35.064
  Bottom Layer w0.28: 4.402,35.064 9.807,33.916 11.541,33.916 13.425,35.8 13.425,37.725 12.25,38.9 10.35,38.9 9.225,40.025 9.225,41.7 10.3,42.775 19.975,42.775 22.05,44.85 22.05,47.925 23.2,49.075 24.975,49.075 26.075,47.975 26.075,41.8 28.15,39.725 30.3,39.725 32.35,41.775 43.475,41.775 44.85,43.15 44.85,45.025 43.515,46.36 30.95,46.36 29.625,47.685 29.625,49.475 30.75,50.6 38.075,50.6 39.525,52.05 39.525,54.5 37.9,56.125 27.125,56.125 ANT3.2@25,54
50R_ANT_V4: ANT4.2 U205.16 | length 120
  Bottom Layer w0.2: U205.16@1.985,34.6 2.405,34.6 3.641,33.355
  Bottom Layer w0.28: 3.641,33.355 7.858,30.291 20.65,30.291 22.434,32.075 44.375,32.075 48.3,36 50.675,36 51.925,34.75 51.925,32.175 53.35,30.75 60.025,30.75 61.95,32.675 61.95,46.525 56.325,52.15 56.325,63.475 58.025,65.175 61.325,65.175 63.175,63.325 63.175,56.175 ANT4.2@61,54
50R_ANT_V5: ANT5.2 U205.24 | length 120
  Bottom Layer w0.2: -3.011,32.656 -1.4,33.598 U205.24@-1.4,34.015
  Bottom Layer w0.28: ANT5.2@-47,18 -47,21.55 -50.125,24.675 -72.05,24.675 -75.075,27.7 -75.075,33.4 -72.357,36.118 -67.068,36.118 -60.9,29.95 -16.825,29.95 -15.75,28.875 -6.508,28.875 -5.578,29.805 -3.011,32.656
50R_ANT_V6: ANT6.2 U205.20 | length 120
  Bottom Layer w0.2: U205.20@0.2,34.015 0.2,33.215 0.47,31.525
  Bottom Layer w0.28: ANT6.2@-11,18 -23.525,18 -35.75,5.775 -35.75,-7.375 -36.925,-8.55 -38.65,-8.55 -39.85,-7.35 -39.85,5.975 -25.475,20.35 -2.1,20.35 0.836,23.286 0.836,28.044 0.47,31.525
50R_ANT_V7: ANT7.2 U206.24 | length 120
  Bottom Layer w0.2: -3.344,-32.989 -2.401,-34.6 U206.24@-1.985,-34.6
  Bottom Layer w0.28: -3.344,-32.989 -5.945,-30.647 -7.125,-29.467 -7.125,-7.775 0.35,-0.3 0.35,1.425 5.35,6.425 12.05,6.425 13.625,8 13.625,10.275 12.075,11.825 8.675,11.825 6.925,13.575 6.925,16.7 10.825,20.6 21.225,20.6 22.075,19.75 22.075,18.575 21.275,17.775 13.3,17.775 12.45,16.925 12.45,15.675 13.4,14.725 19,14.725 21.7,12.025 23.65,12.025 25,13.375 ANT7.2@25,18
50R_ANT_V8: ANT8.2 U205.18 | length 120
  Bottom Layer w0.2: U205.18@1,34.015 1,33.451 2.25,32.103
  Bottom Layer w0.28: 2.25,32.103 3.876,29.287 4,29.072 7.419,25.653 26.447,25.653 35.6,16.5 35.6,11.95 47.225,0.325 51.6,0.325 56.8,5.525 59.95,5.525 62.475,8.05 62.475,11.475 57,16.95 57,20.375 53.625,23.75 53.625,25.9 55.225,27.5 58.95,27.5 61,25.45 ANT8.2@61,18
50R_ANT_V9: ANT9.2 U205.22 | length 120
  Bottom Layer w0.2: -1.391,31.72 -0.6,33.329 U205.22@-0.6,34.015
  Bottom Layer w0.28: ANT9.2@-47,-18 -50.75,-14.25 -66.7,-14.25 -68.725,-12.225 -68.725,-8.475 -66.875,-6.625 -53.599,-6.625 -49.975,-3.001 -49.975,4.375 -29.7,24.65 -5.543,24.65 -2.795,27.399 -1.391,31.72
50R_ANT_V10: ANT10.2 U206.22 | length 120
  Bottom Layer w0.2: -4.28,-34.609 -2.914,-35.281 -2.67,-35.4 U206.22@-1.985,-35.4
  Bottom Layer w0.28: ANT10.2@-11,-18 -14.95,-14.05 -14.95,-3.325 -11.6,0.025 -7.85,0.025 -6.775,1.1 -6.775,2.475 -7.8,3.5 -10.05,3.5 -11.425,4.875 -11.425,7.125 -10.05,8.5 -1.4,8.5 -0.375,9.525 -0.375,10.9 -1.35,11.875 -12.475,11.875 -14.825,9.525 -14.825,0.975 -18.625,-2.825 -18.625,-15.1 -11.575,-22.15 -11.575,-29.561 -7.608,-33.528 -4.28,-34.609
50R_ANT_V11: ANT11.2 U206.28 | length 120
  Bottom Layer w0.2: U206.28@-0.2,-34.015 -0.2,-33.085 0,-31.5
  Bottom Layer w0.28: 0,-31.5 0,-30.525 1.875,-28.65 32.725,-28.65 35.8,-25.575 35.8,-8.175 31.2,-3.575 22.55,-3.575 21.1,-5.025 21.1,-7.15 22.725,-8.775 30.525,-8.775 32.25,-10.5 32.25,-18.275 31.15,-19.375 29.475,-19.375 28.3,-18.2 28.3,-13.525 26.875,-12.1 24.25,-12.1 22.825,-13.525 22.825,-15.825 ANT11.2@25,-18
50R_ANT_V12: ANT12.2 U206.25 | length 120
  Bottom Layer w0.2: -2.645,-32.359 -1.4,-33.59 U206.25@-1.4,-34.015
  Bottom Layer w0.28: -2.645,-32.359 -5.4,-28.568 -5.4,-9.875 7.625,3.15 38.875,3.15 49.325,-7.3 49.325,-9.75 47.575,-11.5 44.975,-11.5 43.625,-12.85 43.625,-14.65 45.075,-16.1 53.75,-16.1 55.65,-18 ANT12.2@61,-18
50R_ANT_V13: ANT13.2 U205.19 | length 120
  Bottom Layer w0.2: U205.19@0.6,34.015 0.6,33.352 1.391,31.72
  Bottom Layer w0.28: ANT13.2@-47,-54 -47,-30.8 -39.425,-23.225 -39.425,-17.1 -31.925,-9.6 -31.925,4.95 -22.275,14.6 -3.525,14.6 2.75,20.875 2.75,27.536 1.391,31.72
50R_ANT_V14: ANT14.2 U206.18 | length 120
  Bottom Layer w0.2: -3.897,-38.25 -2.548,-37 U206.18@-1.985,-37
  Bottom Layer w0.28: ANT14.2@-11,-54 -14.075,-57.075 -19.7,-57.075 -23.675,-61.05 -34.275,-61.05 -36.1,-59.225 -36.1,-54.225 -33.775,-51.9 -15.175,-51.9 -14.15,-50.875 -14.15,-48.925 -15.2,-47.875 -34.65,-47.875 -35.7,-46.825 -35.7,-44.9 -34.725,-43.925 -11.414,-43.925 -8.258,-40.768 -3.897,-38.25
50R_ANT_V15: ANT15.2 U206.16 | length 120
  Bottom Layer w0.2: -2.645,-39.641 -1.4,-38.405 U206.16@-1.4,-37.985
  Bottom Layer w0.28: -2.645,-39.641 -4.937,-42.796 -4.937,-47.5 0.1,-52.537 0.1,-65.3 -3.85,-69.25 -3.85,-73.65 -1.2,-76.3 2.65,-76.3 5.725,-73.225 9.85,-73.225 12.9,-76.275 30.825,-76.275 35.975,-71.125 35.975,-68.425 34.125,-66.575 31.75,-66.575 30.425,-65.25 30.425,-63.325 31.7,-62.05 34.575,-62.05 36.1,-60.525 36.1,-57.775 34.65,-56.325 27.275,-56.325 ANT15.2@25.025,-54.075 ; ANT15.2@25,-54 ANT15.2@25.05,-54.05
50R_ANT_V16: ANT16.2 U206.13 | length 120
  Bottom Layer w0.2: U206.13@-0.2,-37.985 -0.2,-38.767 0,-40.5
  Bottom Layer w0.28: 0,-40.5 0,-41.95 0.75,-42.7 54.15,-42.7 55,-43.55 55,-45.1 54.25,-45.85 31.7,-45.85 30.9,-46.65 30.9,-48.225 31.75,-49.075 56.075,-49.075 ANT16.2@61,-54
50R_C1: C1.1 L1.1 U1.14 | length 2
  Bottom Layer w0.2: L1.1@65.95,-35.55 L1.1@65.975,-35.55 C1.1@66.475,-35.55 ; C1.1@66.475,-35.55 C1.1@66.5,-35.55 ; U1.14@67.255,-35.55 U1.14@67.238,-35.55 ; C1.1@66.5,-35.55 U1.14@67.238,-35.55 ; C1.1@66.5,-35.55 U1.14@67.238,-35.55
50R_CC1: C2.1 CC1.1 L1.2 | length 1.1
  Bottom Layer w0.2: CC1.1@64.3,-35.55 L1.2@65.375,-35.55
50R_HYBRID_IN: H1.1 R208.2 | length 33.2
  Top Layer w0.28: v2(71.443,37.9) 71.443,64.843 v2(71.45,64.85)
  Bottom Layer w0.28: H1.1@67.655,63.746 67.655,64.755 68.225,65.325 70.975,65.325 v2(71.45,64.85) ; R208.2@70.467,37.889 70.479,37.9 v2(71.443,37.9)
50R_HYBRID_OUT_I: CC42.2 R210.2 R211.2 | length 45
  Bottom Layer w0.28: CC42.2@63.638,1.64 65.29,1.64 66.55,2.9 66.55,18.575 64.55,20.575 64.55,40.45 65.55,41.45 R210.2@67.32,41.45
50R_HYBRID_OUT_Q: CC32.2 R212.2 R213.2 | length 41.9
  Top Layer w0.28: v2(74.525,41.45) v2(74.525,70.1)
  Bottom Layer w0.28: CC32.2@66.106,76.507 68.118,76.507 69.769,74.856 69.769,72.856 72.525,70.1 v2(74.525,70.1) ; R212.2@73.52,41.45 v2(74.525,41.45)
50R_LYNX_OUT: D13.2 R1.2 U201.5 | length 43.2
  Bottom Layer w0.28: R1.2@72.195,-18.597 72.195,-15.13 76.541,-10.784 76.541,-0.466 71.7,4.375 71.7,14.075 73.5,15.875 U201.5@73.5,20.071
50R_P2: P202.1 R2.2 | length 1.7
  Bottom Layer w0.28: R2.2@73.095,-19.497 P202.1@74.795,-19.497
50R_R1: C3.1 CC1.2 R1.1 R2.1 | length 25.5
  Bottom Layer w0.28: C3.1@63.125,-35.45 61.796,-34.121 60.675,-34.121 59.927,-33.373 59.927,-28.523 66.125,-22.325 69.367,-22.325 R2.1@72.195,-19.497 ; C3.1@63.2,-35.55 CC1.2@63.75,-35.55
50R_U101_OUT1: CC11.1 D23.2 U202.5 | length 7.1
  Bottom Layer w0.28: D23.2@73.5,29.455 U202.5@73.5,31.071 ; D23.2@73.524,29.455 73.524,27.268 CC11.1@75.838,24.954
50R_U101_OUT2: CC12.1 R208.1 R209.2 | length 14.1
  Top Layer w0.28: v2(69.567,36.991) 71.813,34.745 v2(71.813,29.206)
  Bottom Layer w0.28: v2(69.567,36.991) R208.1@69.567,37.889 ; CC12.1@71.212,24.974 71.813,25.575 v2(71.813,29.206)
50R_U102_OUT1: CC31.2 D21.2 U202.3 | length 47
  Bottom Layer w0.28: CC31.2@65.92,72.692 71.087,67.525 74.3,67.525 76.65,65.175 76.65,35.129 U202.3@74.45,32.929
50R_U102_OUT2: CC41.2 D22.2 U202.1 | length 47
  Bottom Layer w0.28: CC41.2@66.204,-1.189 68.611,-1.189 70.225,0.425 70.225,2.775 69.1,3.9 69.1,20.125 67.05,22.175 67.05,34.375 68.225,35.55 69.93,35.55 U202.1@72.533,32.947
50R_U103_OUT: C11.2 CC33.1 L11.1 R215.1 | length 85.5
  Bottom Layer w0.28: L11.1@-0.075,39.625 -0.075,62.15 10.557,72.782 55.608,72.782 CC33.1@57.651,74.825
50R_U104_OUT: C21.2 CC43.1 L21.1 R217.1 | length 85.5
  Bottom Layer w0.28: R217.1@3.497,-35.931 48.269,-35.931 64.275,-19.925 64.275,-16.8 57.1,-9.625 57.1,-7.278 CC43.1@58.85,-5.528
BOARD_ID_SCL: TPJ14.1
BOARD_ID_SDA: TPJ15.1
BOARD_ID_WP: TPJ16.1
CP/DP+: U201.6 U203.6 U204.6 U208.4 | length 122.8
  IM3 Signal w0.2: v2(60.178,75.775) 68.975,75.775 72.85,71.9 72.85,68.226 74.551,66.525 74.551,44.474 76.125,42.9 76.125,40 74.53,38.405 74.53,20.884 75.624,19.79 75.624,18.92 v2(75.075,18.371) 74.7,17.996 74.7,11.25 75.425,10.525 ; v2(74.775,-1.45) 74.977,-1.45 74.775,-1.248 74.775,6.25 75.425,6.9 75.425,10.525 ; v2(76.895,8.64) 76.895,9.93 76.3,10.525 75.425,10.525
  IM2 Signal w0.2: v2(58.375,0.45) 70.6,0.45 72.5,-1.45 v2(74.775,-1.45) ; v2(71.395,19.739) 72.763,18.371 v2(75.075,18.371)
  Bottom Layer w0.2: v2(58.375,0.45) 58.375,-0.911 59.987,-2.523 U204.6@60.511,-2.523 ; v2(60.178,75.775) U203.6@60.951,75.775 ; v2(71.395,19.739) 71.726,20.071 U201.6@72.55,20.071 ; U208.4@76.895,7.878 v2(76.895,8.64)
CP/DP-: U201.4 U203.4 U204.4 U208.3 U208.6 | length 111
  IM3 Signal w0.2: v2(60.951,73.392) 70.683,73.392 72.45,71.625 72.45,67.876 74.251,66.075 74.251,44.149 75.725,42.675 75.725,40.25 74.23,38.755 74.23,20.291 v2(75.066,19.455) 74.275,18.665 74.275,9.044 v2(74.655,8.664) 74.655,7.192 74.25,6.787 74.25,-3.35 74.5,-3.6 v2(74.5,-4.8)
  Bottom Layer w0.2: U204.4@61.855,-3.866 62.788,-4.8 v2(74.5,-4.8) ; U201.4@74.45,20.071 v2(75.066,19.455) ; v2(74.655,8.664) 74.655,8.177 U208.3@74.355,7.878 75.06,7.878 75.496,7.441 75.496,6.41 75.933,5.973 U208.6@76.895,5.973
  Bottom Layer w0.35: v2(60.951,73.392) U203.4@60.951,73.875
CTRL1: J201.7 U1.1 U205.7 U206.7 | length 355.9
  IM3 Signal w0.1: J201.7@52.15,-76.45 54.45,-74.15 70.6,-74.15 76.6,-68.15 76.6,-59.45 75.25,-58.1 75.25,-54.15 74.854,-53.754 74.854,-49.871 v2@75.175,-49.55 ; v2(58.25,71.5) 59.025,72.275 60.2,72.275 60.95,71.525 70.925,71.525 71.6,70.85 71.6,67.325 73.568,65.357 73.568,44.518 72.475,43.425 72.475,39.525 73.568,38.432 73.568,-14.29 72.825,-15.033 72.825,-32.075 72.35,-32.55 72.35,-35.875 72.198,-36.027 72.198,-37.804 74.425,-40.03 v2(74.425,-42.65) ; v2(72.325,-47.9) 72.325,-46.725 74.45,-44.6 74.45,-42.922 v2@74.475,-42.897
  Bottom Layer w0.1: U1.1@71.55,-37.445 71.55,-38.625 74.425,-41.5 v2(74.425,-42.65)
  Bottom Layer w0.2: U205.7@1,37.985 1,38.45 2.5,39.95 2.5,60.138 11.012,68.65 57.275,68.65 58.25,69.625 v2(58.25,71.5) ; U206.7@1.985,-37 2.499,-37 3.524,-38.025 38.039,-38.025 38.929,-38.915 58.323,-38.915 60.303,-40.894 60.303,-45.228 62.65,-47.575 72,-47.575 v2(72.325,-47.9) 72.775,-47.9 74.4,-49.525 v2(75.2,-49.525)
CTRL2: J201.8 U1.2 U205.8 U206.8 | length 354
  IM3 Signal w0.1: J201.8@54.692,-76.45 56.665,-74.475 70.617,-74.475 76.9,-68.192 76.9,-59.3 76.225,-58.625 76.225,-51 v2@75.5,-50.275 ; v2(58.925,71.075) 58.95,71.1 58.95,71.75 59.25,72.05 60.025,72.05 60.75,71.325 70.625,71.325 71.35,70.6 71.35,67.225 73.368,65.207 73.368,44.725 72.25,43.607 72.25,39.4 73.368,38.282 73.368,-14.207 72.6,-14.975 72.6,-31.825 72.15,-32.275 72.15,-35.75 71.998,-35.902 71.998,-37.887 73.775,-39.663 73.775,-43.441 v2(73.782,-43.448) 73.798,-43.448 74.25,-43.9 74.25,-44.45 71.75,-46.95 v2(71.75,-48.45)
  Bottom Layer w0.1: U1.2@71.15,-37.445 71.15,-38.6 73.775,-41.225 v2@73.775,-43.45
  Bottom Layer w0.2: U205.8@1.4,37.985 1.4,38.4 2.8,39.8 2.8,60.014 11.111,68.325 57.525,68.325 58.925,69.725 v2(58.925,71.075) ; U206.8@1.985,-37.4 2.475,-37.4 3.399,-38.325 36.117,-38.325 37.915,-38.325 38.805,-39.215 58.199,-39.215 60.003,-41.018 60.003,-45.453 62.55,-48 71.3,-48 v2(71.75,-48.45) 72.55,-48.45 74.375,-50.275 v2(75.525,-50.275)